# Altium PCB OpenBMS.PcbDoc (part 2 of 2)
Units mm, origin at the board's own origin, x right, y up, seen from the top; angles counter-clockwise.
Board outline 133 x 136.5 mm, 2 copper layers (Top Layer, Bottom Layer), stack 1.571 mm thick; 155 components, 104 nets, 805 pads, 63 vias.
Unrouted connection lines stored in the file: 35.
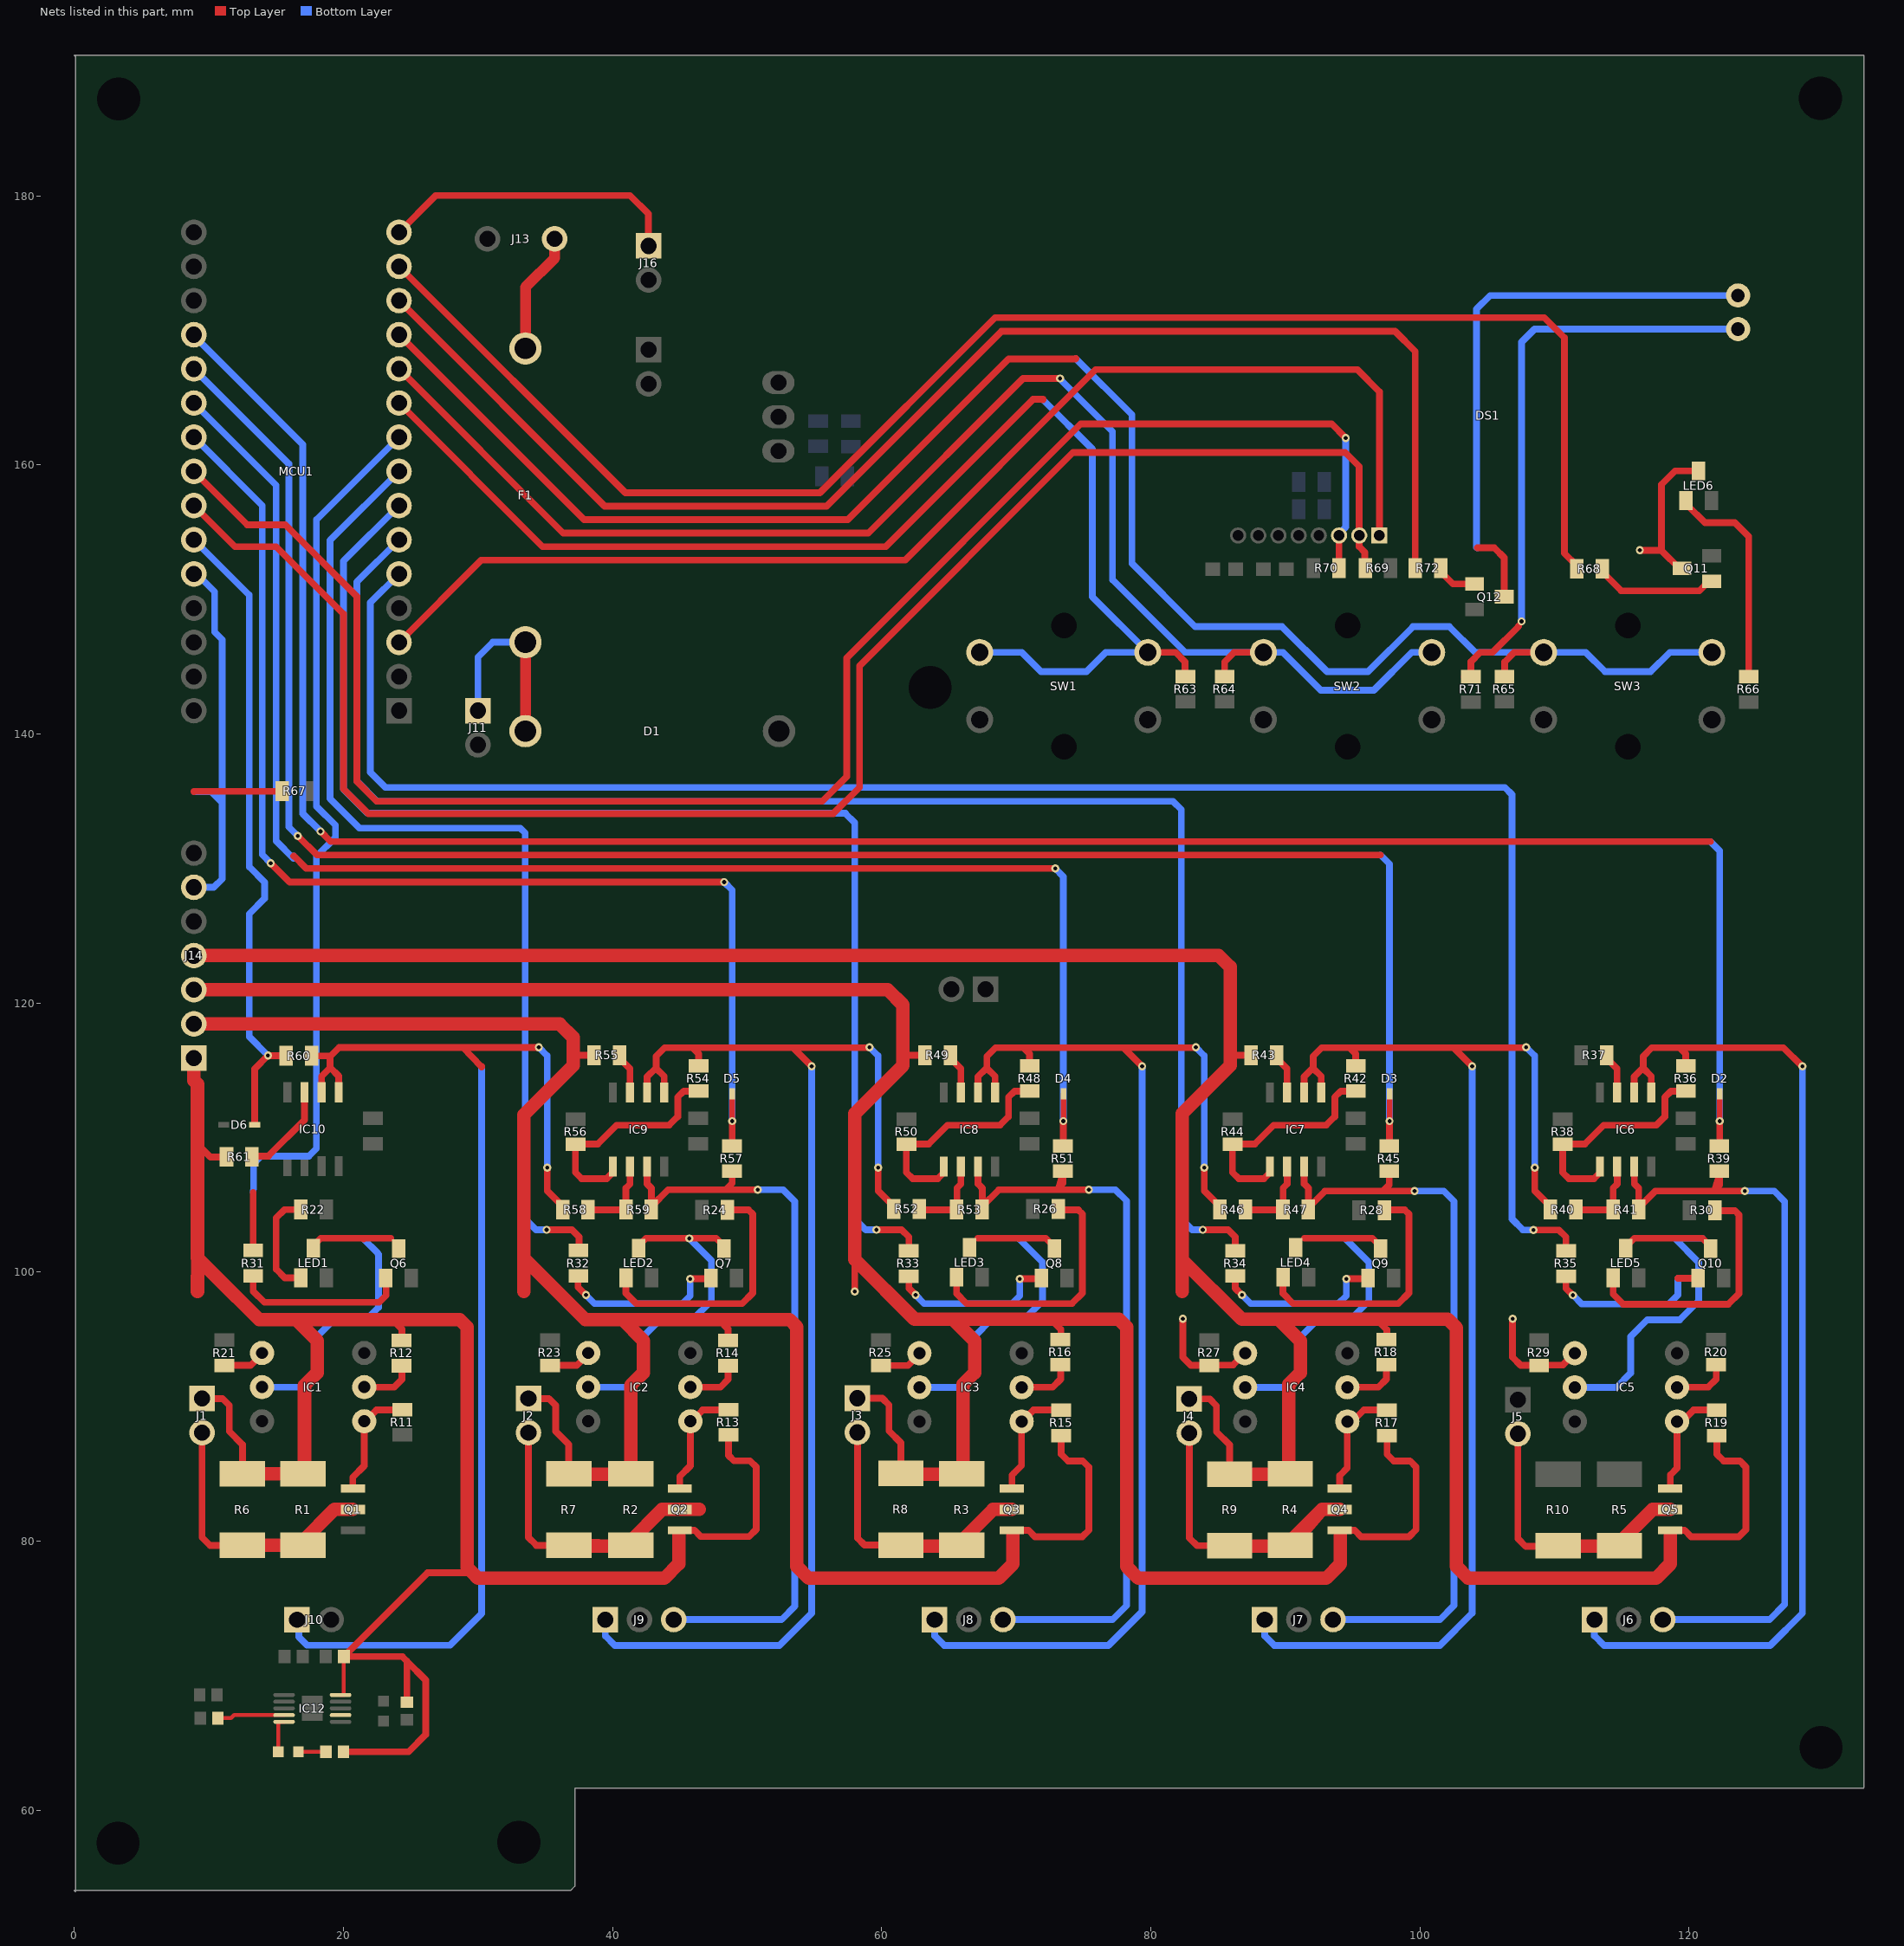
[diagram p2: the nets of this part, all layers, seen from the top]

## Via types
v1: diameter 0.6, hole 0.3, Top Layer to Bottom Layer, 63 vias

## Nets (pads, with @x,y where several pads share a name; then routed paths per layer and width w, separated by ;. In a path a pad name is that pad's centre, name@x,y a point inside that pad or via, vN(x,y) a via of type N, cw(c..) or ccw(c..) an arc to the next point about the centre after c; other vN are vias at no path point) (continued)
NetC13_2: C13.2 IC12.10 J1.1@9.5,90.6 J2.1@33.75,90.6 J14.1@8.89,115.904 J14.2@8.89,118.444 Q2.3@44.997,80.812 Q3.3@69.678,80.812 R1.1@17,85.01 R2.1@41.35,85.01 R6.1@12.5,85.01 R7.1@36.75,85.01 R12.1@24.324,94.93 R13.1@48.614,87.9 R14.1@48.583,94.93 R15.1@73.344,87.85 R55.2@38.632,116.125 R61.2@11.315,108.571 R73.1 R74.1 | length 319.3
  Top Layer w0.3: IC12.10@19.791,68.575 20.026,68.575 C13.2@20.026,71.425
  Top Layer w0.5: 9.16,98.577 9.16,101.025 ; 9.16,109.508 10.122,108.546 11.464,108.546 R61.2@11.568,108.65 ; J1.1@9.5,90.6 11.014,90.6 11.522,90.092 11.522,88.165 12.5,87.187 R6.1@12.5,85.01 ; R74.1@20.001,64.35 24.85,64.35 26.125,65.625 26.125,69.674 24.716,71.084 ; 23.64,96.475 24.349,95.766 24.349,95.187 R12.1@24.436,95.1 ; R73.1@24.716,68.025 24.716,71.084 ; 29.6,77.65 26.251,77.65 20.276,71.675 20.226,71.675 20.126,71.575 20.026,71.475 C13.2@20.026,71.425 20.226,71.425 20.276,71.425 24.374,71.425 24.716,71.084 ; 33.4,98.577 33.4,101.025 ; J2.1@33.75,90.6 35.264,90.6 35.772,90.092 35.772,88.165 36.75,87.187 R7.1@36.75,85.01 ; 37.071,116.125 38.273,116.125 R55.2@38.623,115.775 ; Q2.3@44.997,80.812 45.115,80.816 46.082,80.816 46.558,80.34 50.14,80.34 50.673,80.873 50.673,85.521 50.216,85.978 49.013,85.978 48.614,86.377 R13.1@48.614,87.9 ; 47.889,96.475 48.589,95.775 48.589,95 R14.1@48.583,94.93 ; Q3.3@69.833,80.816 70.904,80.816 71.39,80.33 74.905,80.33 75.4,80.825 75.4,85.502 74.934,85.968 73.845,85.968 73.344,86.469 R15.1@73.344,87.85
  Top Layer w0.8: R2.1@41.31,84.97 R2.1@41.35,85.01
  Top Layer w1: J14.1@8.89,115.904 8.89,114.249 9.16,113.979 9.16,109.508 9.16,101.025 ; J14.2@8.89,118.444 36.077,118.444 37.071,117.45 37.071,116.125 37.071,115.35 33.4,111.679 33.4,101.025 ; 9.16,98.577 9.178,101.025 12.104,98.099 12.11,98.099 13.734,96.475 16.484,96.475 ; R6.1@12.5,85.01 R1.1@17,85.01 17.11,85.01 17.11,91.581 18.054,92.526 18.054,94.905 16.484,96.475 ; 33.4,98.577 33.418,101.025 37.968,96.475 40.724,96.475 ; R7.1@36.75,85.01 36.75,84.97 R2.1@41.31,84.97 ; R2.1@41.35,85.01 41.35,91.581 42.295,92.526 42.295,94.905 40.724,96.475 ; Q2.3@44.924,80.558 44.924,78.324 43.85,77.25 30,77.25 29.6,77.65 29.2,78.05 29.2,95.909 28.634,96.475 23.64,96.475 16.484,96.475 ; 47.889,96.475 40.724,96.475 ; 69.756,80.507 69.756,78.314 68.682,77.24 54.832,77.24 54.575,77.25 53.7,78.125 53.7,95.925 53.15,96.475 40.724,96.475
NetD1_1: D1.1@33.528,140.208 F1.2@33.528,146.816 J11.1@29.993,141.732 | length 14.6
  Top Layer w0.8: D1.1@33.528,140.208 F1.2@33.528,146.816
  Bottom Layer w0.5: J11.1@29.993,141.732 29.993,145.718 31.091,146.816 F1.2@33.528,146.816
NetD2_K: D2.K@122.265,113.25 MCU1.19@8.89,169.672 R39.1@122.24,109.382 | length 169.4
  Top Layer w0.42: v1(122.265,111.226) D2.K@122.265,113.25 D2.K@122.265,113.425
  Top Layer w0.5: v1(18.3,132.761) 19.057,132.004 121.571,132.004 ; R39.1@122.265,109.586 v1(122.265,111.226)
  Bottom Layer w0.5: MCU1.19@8.89,169.672 8.859,169.641 16.982,161.518 16.982,134.079 v1(18.3,132.761) ; 121.571,132.004 121.6,132 121.575,132 122.265,131.31 v1(122.265,111.226)
NetD3_K: D3.K@97.736,113.25 MCU1.20@8.89,167.132 R45.1@97.711,109.382 | length 142.8
  Top Layer w0.42: v1(97.736,111.226) D3.K@97.736,113.25 D3.K@97.736,113.425
  Top Layer w0.5: v1(16.617,132.425) 18.041,131.001 97.062,131.001 ; R45.1@97.736,109.586 v1(97.736,111.226)
  Bottom Layer w0.5: MCU1.20@8.89,167.132 15.942,160.08 15.942,133.1 v1(16.617,132.425) ; 97.062,131.001 97.062,131 97.736,130.326 v1(97.736,111.226)
NetD4_K: D4.K@73.499,113.25 MCU1.21@8.89,164.592 R51.1@73.474,109.382 | length 116.8
  Top Layer w0.42: v1(73.499,111.226) D4.K@73.499,113.25
  Top Layer w0.5: 16.31,130.929 17.242,129.997 v1(72.9,129.997) ; R51.1@73.499,109.586 v1(73.499,111.226)
  Bottom Layer w0.5: MCU1.21@8.89,164.592 15,158.482 15,132.05 16.3,130.75 16.31,130.929 ; v1(72.9,129.997) 73.499,129.398 v1(73.499,111.226)
NetD5_K: D5.K@48.895,113.25 MCU1.22@8.89,162.052 R57.1@48.87,109.382 | length 90.4
  Top Layer w0.42: v1(48.895,111.226) D5.K@48.895,113.25 D5.K@48.895,113.425
  Top Layer w0.5: v1(14.6,130.4) 16.007,128.993 v1(48.3,128.993) ; v1(48.895,111.226) 48.895,109.586 48.984,109.496 R57.1@49.099,109.382
  Bottom Layer w0.5: MCU1.22@8.89,162.052 8.898,162.052 13.97,156.98 13.97,131.03 v1(14.6,130.4) ; v1(48.3,128.993) 48.895,128.398 v1(48.895,111.226)
NetD6_K: D6.K@13.404,110.95 MCU1.25@8.89,154.432 R60.1@15.75,116.075 | length 48.3
  Top Layer w0.5: D6.K@13.404,111.12 13.404,115.104 v1(14.4,116.1) 14.412,116.087 15.738,116.087 R60.1@15.75,116.075
  Bottom Layer w0.5: MCU1.25@8.89,154.432 13,150.322 13,130.125 14.15,128.975 14.15,127.775 13,126.625 13,117.5 v1(14.4,116.1)
NetDS1_1: DS1.1@96.984,154.75 MCU1.3@24.13,146.812 | length 92.6
  Top Layer w0.5: MCU1.3@24.13,146.812 30.243,152.925 61.75,152.925 75.9,167.075 95.35,167.075 96.984,165.441 DS1.1@96.984,154.75
NetDS1_2: DS1.2@95.484,154.75 MCU1.24@8.89,156.972 R69.2@95.934,152.331 | length 128.3
  Top Layer w0.5: MCU1.24@8.89,156.972 11.937,153.925 15,153.925 20,148.925 20,135.925 21.85,134.075 56.4,134.075 58.35,136.025 58.35,145.05 74.225,160.925 94.425,160.925 95.484,159.866 DS1.2@95.484,154.75 95.484,153.916 95.9,153.5 95.9,152.365 R69.2@95.934,152.331
NetDS1_3: DS1.3@93.984,154.75 MCU1.23@8.89,159.512 R70.2@93.984,152.331 | length 130.9
  Top Layer w0.5: MCU1.23@8.89,159.512 12.852,155.55 15.675,155.55 21,150.225 21,136.475 22.475,135 55.575,135 57.4,136.825 57.4,145.65 74.8,163.05 93.434,163.05 v1(94.484,162) ; R70.2@93.984,152.331 DS1.3@93.984,154.75
  Bottom Layer w0.5: DS1.3@93.984,154.75 93.984,154.875 94.484,155.375 v1(94.484,162)
NetDS1_A: DS1.A@123.634,170.09 R71.2@103.787,144.264 | length 43
  Top Layer w0.5: R71.2@103.787,144.264 103.787,145.375 104.475,146.063 105.387,146.063 107.33,148.006
  Bottom Layer w0.5: v1(107.55,148.361) 107.55,169.125 108.515,170.09 DS1.A@123.634,170.09
NetDS1_K: DS1.K@123.634,172.59 Q12.1@106.258,150.2 | length 42.8
  Top Layer w0.5: 104.261,153.829 105.525,153.829 106.258,153.096 Q12.1@106.258,150.2
  Bottom Layer w0.5: 104.261,153.829 104.201,153.873 104.201,171.576 105.215,172.59 DS1.K@123.634,172.59
NetF1_1: F1.1@33.528,168.656 J13.1@35.7,176.8 | length 9
  Top Layer w0.8: F1.1@33.528,168.656 33.528,173.203 35.7,175.375 J13.1@35.7,176.8
NetIC1_1: IC1.1@13.95,93.99 R21.1@11.156,93.055 | length 3.3
  Top Layer w0.5: R21.1@11.156,93.055 11.116,93.066 13.101,93.066 13.987,93.953 IC1.1@13.95,93.99
NetIC1_2: IC1.2@13.95,91.45 LED1.3@17.775,101.777 Q6.1@24.1,101.752 | length 26
  Top Layer w0.5: LED1.3@17.775,101.977 18.323,102.525 23.527,102.525 21.536,102.5 21.5,102.464
  Bottom Layer w0.5: IC1.2@14.21,91.45 16.995,91.45 18.054,92.51 18.054,95.228 19.296,96.469 21.709,96.469 22.606,97.366 22.606,101.312 22.525,101.393 22.525,101.439 21.5,102.464
NetIC1_4: IC1.4@21.55,88.91 Q1.1@20.7,83.912 R11.2@24.374,89.789 | length 8.4
  Top Layer w0.5: Q1.1@20.7,84.025 20.7,84.757 21.547,85.604 21.547,88.874 21.57,88.869 22.451,89.75 R11.2@24.335,89.75
NetIC1_5: IC1.5@21.55,91.45 R12.2@24.324,93.041 | length 4.2
  Top Layer w0.5: IC1.5@21.55,91.45 23.774,91.45 24.348,92.025 24.348,93.111 R12.2@24.324,93.041
NetIC2_1: IC2.1@38.19,93.99 R23.2@35.356,93.066 | length 3.3
  Top Layer w0.5: R23.2@35.356,93.066 37.341,93.066 38.228,93.953 IC2.1@38.19,93.99
NetIC2_2: IC2.2@38.19,91.45 LED2.3@41.943,101.777 Q7.1@48.268,101.752 | length 25.3
  Top Layer w0.5: LED2.3@41.943,101.977 42.491,102.525 v1@45.704,102.525 ; v1(45.704,102.5) v1@45.704,102.525 ; Q7.1@48.268,101.952 47.695,102.525 v1@45.704,102.525
  Bottom Layer w0.5: IC2.2@38.45,91.45 41.235,91.45 42.295,92.51 42.295,95.228 43.536,96.469 45.949,96.469 47.34,97.86 47.346,97.86 47.346,100.865 47.34,100.865 v1(45.704,102.5)
NetIC2_4: IC2.4@45.79,88.91 Q2.1@44.997,83.912 R13.2@48.614,89.789 | length 8.3
  Top Layer w0.5: Q2.1@44.997,84.166 44.997,84.813 45.787,85.604 45.787,88.874 45.81,88.869 46.691,89.75 R13.2@48.575,89.75 ; R13.2@48.614,89.789 48.711,89.75 R13.2@48.75,89.789
NetIC2_5: IC2.5@45.79,91.45 R14.2@48.583,93.041 | length 4.2
  Top Layer w0.5: IC2.5@45.79,91.45 48.014,91.45 48.589,92.025 48.589,93.111 R14.2@48.583,93.041
NetIC3_1: IC3.1@62.797,93.98 R25.2@59.938,93.066 | length 3.3
  Top Layer w0.5: R25.2@59.938,93.066 59.963,93.076 59.963,93.056 61.947,93.056 62.834,93.943 IC3.1@62.797,93.98
NetIC3_2: IC3.2@62.797,91.44 LED3.3@66.516,101.827 Q8.1@72.828,101.752 | length 27.4
  Top Layer w0.5: 70.192,102.488 70.204,102.5 67.152,102.525 72.195,102.525 Q8.1@72.768,101.952
  Bottom Layer w0.5: IC3.2@63.056,91.44 65.841,91.44 66.901,92.5 66.901,95.218 68.142,96.459 70.555,96.459 71.948,97.852 71.952,97.852 71.952,100.74 71.94,100.74 70.192,102.488
NetIC3_4: IC3.4@70.397,88.9 Q3.1@69.678,83.912 R15.2@73.344,89.739 | length 8.8
  Top Layer w0.5: Q3.1@69.678,83.912 69.681,83.912 69.681,84.913 69.821,85.053 70.394,85.626 70.394,88.864 70.397,88.868 IC3.4@70.413,88.884 ; IC3.4@70.397,88.9 IC3.4@70.413,88.884 ; R15.2@73.344,89.739 73.442,89.75 71.279,89.75 IC3.4@70.413,88.884
NetIC3_5: IC3.5@70.397,91.44 R16.2@73.275,93.111 | length 3.7
  Top Layer w0.5: IC3.5@70.781,91.45 72.705,91.45 73.3,92.045 R16.2@73.3,92.955
NetIC4_1: IC4.1@87,93.98 R27.2@84.345,93.066 | length 8.1
  Top Layer w0.5: v1(82.376,96.535) 82.376,93.679 82.978,93.076 84.345,93.076 R27.2@84.345,93.066 ; R27.2@84.308,93.093 86.082,93.093 86.1,93.111 86.131,93.111 IC4.1@87,93.98
NetIC4_2: IC4.2@87,91.44 LED4.3@90.772,101.827 Q9.1@97.084,101.752 | length 27.4
  Top Layer w0.5: 94.448,102.488 94.46,102.5 91.408,102.525 96.451,102.525 Q9.1@97.024,101.952
  Bottom Layer w0.5: IC4.2@87.312,91.44 90.097,91.44 91.157,92.5 91.157,95.218 92.398,96.459 94.811,96.459 96.201,97.849 96.208,97.849 96.208,100.731 96.206,100.731 94.448,102.488
NetIC4_4: IC4.4@94.6,88.9 Q4.1@94.031,83.912 R17.2@97.547,89.739 | length 8.3
  Top Layer w0.5: Q4.1@94.031,83.912 94.036,83.912 94.036,84.882 94.597,85.443 94.597,88.864 IC4.4@94.6,88.9 ; IC4.4@94.984,88.91 95.824,89.75 97.645,89.75 R17.2@97.547,89.739
NetIC4_5: IC4.5@94.6,91.44 R18.2@97.497,93.111 | length 3.7
  Top Layer w0.5: IC4.5@94.984,91.45 96.908,91.45 97.503,92.045 R18.2@97.503,92.955
NetIC5_1: IC5.1@111.503,93.98 R29.2@108.848,93.066 | length 8.1
  Top Layer w0.5: v1(106.879,96.535) 106.879,93.679 107.482,93.076 108.848,93.076 R29.2@108.848,93.066 ; R29.2@108.811,93.093 110.585,93.093 110.603,93.111 110.634,93.111 IC5.1@111.503,93.98
NetIC5_2: IC5.2@111.503,91.44 LED5.3@115.3,101.777 Q10.1@121.6,101.752 | length 27.5
  Top Layer w0.5: LED5.3@115.437,102.027 115.936,102.525 120.979,102.525 121.552,101.952 121.612,101.948 121.681,101.944 121.681,101.802 Q10.1@121.6,101.752
  Bottom Layer w0.5: IC5.2@111.816,91.44 114.6,91.44 115.66,92.5 115.66,95.218 116.901,96.459 119.314,96.459 120.703,97.847 120.711,97.847 120.711,100.728 118.952,102.488 118.988,102.5 120.979,102.525
NetIC5_4: IC5.4@119.103,88.9 Q5.1@118.6,83.912 R19.2@122.05,89.739 | length 8.4
  Top Layer w0.5: Q5.1@118.387,83.912 118.6,84.124 118.6,84.925 119.1,85.425 119.1,88.864 119.103,88.867 IC5.4@119.103,88.9 ; IC5.4@119.488,88.91 120.328,89.75 122.148,89.75 R19.2@122.05,89.739
NetIC5_5: IC5.5@119.103,91.44 R20.2@122,93.111 | length 3.7
  Top Layer w0.5: IC5.5@119.488,91.45 121.412,91.45 122.007,92.045 R20.2@122.007,92.955
NetIC6_1: IC6.1 IC6.2 J6.1@112.96,74.175 R36.2@119.766,115.339 | length 78.8
  Top Layer w0.5: IC6.2@115.917,113.35 115.917,114.52 ; IC6.1@117.187,113.35 117.187,114.55 116.587,115.15 116.547,115.15 115.917,114.52 ; R36.2@119.766,115.339 119.747,115.339 119.747,116.225 119.293,116.679 ; v1(128.423,115.291) 128.408,115.276 127.005,116.679 119.293,116.679 ; 115.917,114.52 115.917,114.529 116.563,115.175 116.587,115.151 116.587,116.04 117.226,116.679 119.293,116.679
  Bottom Layer w0.5: J6.1@112.96,74.175 112.96,72.965 113.675,72.25 126.025,72.25 128.423,74.648 v1(128.423,115.291)
NetIC6_3: IC6.3 R37.1@113.872,116.125 | length 2.9
  Top Layer w0.5: R37.1@113.868,115.895 114.647,115.116 IC6.3@114.647,113.35
NetIC6_5: IC6.5 R36.1@119.766,113.45 R38.1@110.612,109.489 | length 17
  Top Layer w0.5: R38.1@110.612,109.489 110.598,109.525 110.598,109.489 110.598,107.409 111.058,106.95 112.938,106.95 IC6.5@113.388,107.4 ; R38.1@110.688,109.725 R38.1@110.973,109.725 ; R38.1@110.867,109.525 112.265,109.525 113.653,110.913 117.555,110.913 118.197,111.555 118.197,113 118.647,113.45 119.747,113.45 R36.1@119.766,113.45
NetIC6_6: IC6.6 R40.1@111.58,104.65 R41.2@114.361,104.65 | length 5.9
  Top Layer w0.5: R40.1@111.58,104.65 111.53,104.624 R41.2@114.002,104.624 ; R41.2@114.361,104.65 114.358,104.65 114.358,106.251 114.658,106.55 114.658,107.85 IC6.6@114.647,107.85
NetIC6_7: IC6.7 J6.3@118.04,74.175 R39.2@122.24,107.493 R41.1@116.25,104.65 | length 57
  Top Layer w0.5: IC6.7@115.917,107.85 115.928,107.85 115.928,106.557 116.247,106.237 116.247,104.895 116.265,104.795 117.49,106.021 121.783,106.021 121.927,106.164 ; v1(124.129,106.021) 121.883,106.021 121.927,106.164 ; 121.927,106.164 122.264,107.278 122.264,106.501 121.927,106.164
  Bottom Layer w0.5: J6.3@118.04,74.175 125.973,74.175 127.105,75.307 127.105,105.257 127.083,105.257 126.32,106.021 v1(124.129,106.021)
NetIC7_1: IC7.1 IC7.2 J7.1@88.46,74.175 R40.2@109.691,104.65 R42.2@95.237,115.339 | length 95.6
  Top Layer w0.5: IC7.2@91.388,113.35 91.388,114.52 92.018,115.15 92.058,115.15 ; IC7.1@92.658,113.35 92.658,114.55 92.058,115.15 ; R42.2@95.237,115.339 95.218,115.339 95.218,116.225 94.764,116.679 ; 102.533,116.633 103.857,115.309 v1(103.873,115.291) ; v1(107.888,116.712) 107.888,116.679 94.764,116.679 ; v1(108.523,107.772) 108.523,106.044 R40.2@109.615,104.952 ; 92.058,115.15 92.058,116.04 92.697,116.679 94.764,116.679
  Bottom Layer w0.5: J7.1@88.46,74.175 88.46,72.965 89.175,72.25 101.475,72.25 103.873,74.648 v1(103.873,115.291) ; v1(107.888,116.712) 108.523,116.077 v1(108.523,107.772)
NetIC7_3: IC7.3 R43.1@89.343,116.125 | length 2.9
  Top Layer w0.5: R43.1@89.339,115.895 90.118,115.116 IC7.3@90.118,113.35
NetIC7_5: IC7.5 R42.1@95.237,113.45 R44.1@86.083,109.489 | length 17.3
  Top Layer w0.5: IC7.5@88.859,107.4 88.409,106.95 86.529,106.95 86.069,107.409 86.069,109.489 86.069,109.525 86.143,109.7 86.387,109.7 86.338,109.525 87.736,109.525 89.123,110.913 93.026,110.913 93.668,111.555 93.668,113 94.118,113.45 95.218,113.45 R42.1@95.237,113.45
NetIC7_6: IC7.6 R46.1@87.033,104.65 R47.2@89.814,104.65 | length 5.9
  Top Layer w0.5: R46.1@87.033,104.65 86.983,104.624 R47.2@89.455,104.624 ; R47.2@89.814,104.65 89.829,104.65 89.829,106.251 90.129,106.55 90.129,107.85 IC7.6@90.118,107.85
NetIC7_7: IC7.7 J7.3@93.54,74.175 R45.2@97.711,107.493 R47.1@91.703,104.65 | length 55.8
  Top Layer w0.5: IC7.7@91.388,107.85 91.399,107.85 91.399,106.557 91.718,106.237 91.718,104.895 91.718,104.795 92.943,106.021 97.236,106.021 ; R45.2@97.717,107.278 97.717,106.501 97.236,106.021 ; v1(99.6,106.021) 97.236,106.021
  Bottom Layer w0.5: J7.3@93.54,74.175 101.473,74.175 102.523,75.225 102.523,105.257 102.536,105.257 101.773,106.021 v1(99.6,106.021)
NetIC8_1: IC8.1 IC8.2 J8.1@63.937,74.175 R46.2@85.144,104.65 R48.2@71,115.339 | length 95.3
  Top Layer w0.5: IC8.2@67.151,113.35 67.151,114.52 67.781,115.15 67.821,115.15 ; IC8.1@68.421,113.35 68.421,114.55 67.821,115.15 ; R48.2@71,115.339 70.981,115.339 70.981,116.225 70.527,116.679 ; v1(79.355,115.291) 77.967,116.679 ; v1(83.341,116.712) 83.307,116.679 77.967,116.679 ; v1(83.976,107.772) 83.976,106.044 R46.2@85.068,104.952 ; 67.821,115.15 67.821,116.04 68.46,116.679 70.527,116.679 ; 70.527,116.679 77.967,116.679
  Bottom Layer w0.5: J8.1@63.937,74.175 63.937,72.965 64.652,72.25 76.847,72.25 79.355,74.759 v1(79.355,115.291) ; v1(83.341,116.712) 83.976,116.077 v1(83.976,107.772)
NetIC8_3: IC8.3 R49.1@65.106,116.125 | length 2.9
  Top Layer w0.5: R49.1@65.102,115.895 65.881,115.116 IC8.3@65.881,113.35
NetIC8_5: IC8.5 R48.1@71,113.45 R50.1@61.846,109.489 | length 17.3
  Top Layer w0.5: IC8.5@64.621,107.4 64.171,106.95 62.291,106.95 61.832,107.409 61.832,109.489 61.832,109.525 61.906,109.7 62.15,109.7 62.101,109.525 63.499,109.525 64.886,110.913 68.789,110.913 69.431,111.555 69.431,113 69.881,113.45 R48.1@71,113.45
NetIC8_6: IC8.6 R52.1@62.796,104.7 R53.2@65.577,104.65 | length 5.9
  Top Layer w0.5: R52.1@62.796,104.7 62.746,104.624 R53.2@65.218,104.624 ; R53.2@65.577,104.65 65.592,104.65 65.592,106.251 65.891,106.55 65.891,107.85 IC8.6@65.881,107.85
NetIC8_7: IC8.7 J8.3@69.017,74.175 R51.2@73.474,107.493 R53.1@67.466,104.65 | length 57
  Top Layer w0.5: IC8.7@67.151,107.85 67.161,107.85 67.161,106.557 67.481,106.237 R53.1@67.481,104.895 ; R53.1@67.471,104.885 R53.1@67.481,104.895 ; R53.1@67.481,104.885 R53.1@67.481,104.895 ; v1(75.4,106.121) 73.099,106.121 73.143,106.264 ; R53.1@67.481,104.895 68.706,106.121 72.999,106.121 73.143,106.264 ; 73.143,106.264 73.48,107.378 73.48,106.601 73.143,106.264
  Bottom Layer w0.5: J8.3@69.017,74.175 77.15,74.175 78.2,75.225 78.2,105.281 77.36,106.121 v1(75.4,106.121)
NetIC9_1: IC9.1 IC9.2 J9.1@39.46,74.175 R52.2@60.907,104.7 R54.2@46.396,115.339 | length 95.7
  Top Layer w0.5: IC9.2@42.566,113.35 42.566,114.52 43.216,115.17 43.236,115.15 ; IC9.1@43.836,113.35 43.836,114.55 43.236,115.15 ; R54.2@46.396,115.339 46.396,116.225 45.942,116.679 ; v1(54.8,115.291) 53.412,116.679 ; v1(59.104,116.712) 59.07,116.679 53.412,116.679 ; v1(59.739,107.772) 59.739,106.044 R52.2@60.831,104.952 ; 43.236,115.15 43.236,116.04 43.875,116.679 45.942,116.679 ; 45.942,116.679 53.412,116.679
  Bottom Layer w0.5: J9.1@39.46,74.175 39.46,72.965 40.175,72.25 52.4,72.25 54.8,74.65 v1(54.8,115.291) ; v1(59.104,116.712) 59.739,116.077 v1(59.739,107.772)
NetIC9_3: IC9.3 R55.1@40.521,116.125 | length 2.9
  Top Layer w0.5: R55.1@40.516,115.896 41.296,115.116 IC9.3@41.296,113.35
NetIC9_5: IC9.5 R54.1@46.396,113.45 R56.1@37.261,109.489 | length 17.4
  Top Layer w0.5: R56.1@37.261,109.489 R56.1@37.236,109.525 ; IC9.5@40.026,107.85 40.026,107.4 39.576,106.95 37.696,106.95 37.236,107.409 37.236,109.489 R56.1@37.236,109.525 ; R54.1@46.396,113.45 45.296,113.45 44.846,113 44.846,111.555 44.204,110.913 40.301,110.913 38.914,109.525 R56.1@37.236,109.525
NetIC9_6: IC9.6 R58.1@38.186,104.647 R59.2@40.996,104.65 | length 5.8
  Top Layer w0.5: R58.1@38.186,104.647 38.161,104.624 R59.2@40.633,104.624 ; R59.2@40.996,104.65 40.996,106.251 41.296,106.55 IC9.6@41.296,107.85
NetIC9_7: IC9.7 J9.3@44.54,74.175 R57.2@48.87,107.493 R59.1@42.885,104.65 | length 56.1
  Top Layer w0.5: IC9.7@42.566,107.85 42.566,106.557 42.885,106.237 R59.1@42.885,104.885 ; R59.1@42.885,104.65 R59.1@42.885,104.885 ; R57.2@49.111,107.594 48.895,107.378 48.895,106.601 48.414,106.121 ; v1(50.796,106.121) 48.414,106.121 ; R59.1@42.885,104.885 44.121,106.121 48.414,106.121
  Bottom Layer w0.5: J9.3@44.54,74.175 52.55,74.175 53.55,75.175 53.55,105.257 53.538,105.257 52.675,106.121 v1(50.796,106.121)
NetIC10_1: IC10.1 IC10.2 J10.1@16.559,74.175 R58.2@36.297,104.647 R60.2@17.639,116.075 | length 93.8
  Top Layer w0.5: R60.2@17.639,116.3 17.751,116.188 17.864,116.075 18.94,116.075 19,116.015 ; IC10.2@18.38,113.375 18.38,114.545 19.03,115.195 ; IC10.1@19.65,113.375 19.65,114.575 19.03,115.195 ; 30.275,115.24 30.275,115.291 30.249,115.267 28.879,116.7 29.004,116.7 ; v1(34.519,116.712) 34.506,116.7 29.004,116.7 ; v1(35.154,107.772) 35.154,106.044 R58.2@36.246,104.952 ; 19,116.015 19.689,116.704 29,116.704 29.004,116.7 ; 19,116.015 19,115.225 19.03,115.195
  Bottom Layer w0.5: J10.1@16.559,74.175 16.685,74.175 16.685,72.89 17.304,72.271 27.921,72.271 30.275,74.625 30.275,115.24 ; v1(34.519,116.712) 35.154,116.077 v1(35.154,107.772)
NetIC10_3: IC10.3 R61.1@13.204,108.571 | length 6.8
  Top Layer w0.5: R61.1@13.462,108.625 14.43,108.625 17.11,111.305 IC10.3@17.11,113.375
NetJ1_2: J1.2@9.5,88.06 Q1.2@20.7,82.362 R1.2@17,79.69 R6.2@12.5,79.69 | length 20.3
  Top Layer w0.5: J1.2@9.5,88.06 9.5,80.276 10.086,79.69 R6.2@12.46,79.69
  Top Layer w1: R6.2@12.5,79.69 R1.2@17,79.69 R1.2@17.1,79.69 ; R1.2@16.95,79.984 19.338,82.372 20.7,82.372 Q1.2@20.7,82.362
NetJ2_2: J2.2@33.75,88.06 Q2.2@44.997,82.362 R2.2@41.35,79.69 R7.2@36.75,79.69 | length 26.4
  Top Layer w0.5: J2.2@33.75,88.06 33.75,80.276 34.336,79.69 R7.2@36.71,79.69
  Top Layer w1: R7.2@36.71,79.69 R7.2@36.75,79.69 ; R2.2@41.3,79.74 R2.2@41.35,79.69 ; R2.2@41.3,79.984 43.688,82.372 46.45,82.372 ; R7.2@36.75,79.69 41.31,79.65 36.75,79.65 R7.2@36.75,79.69
NetJ3_1: J3.1@58.2,90.627 J14.3@8.89,120.984 Q4.3@94.031,80.812 R3.1@65.941,85.01 R8.1@61.425,85.035 R16.1@73.275,95 R17.1@97.547,87.85 R49.2@63.217,116.125 | length 178.2
  Top Layer w0.5: v1(58.006,98.567) 58.006,100.937 ; J3.1@58.2,90.627 58.2,90.625 60.039,90.625 60.547,90.117 60.547,88.19 61.425,87.312 R8.1@61.425,85.035 ; 61.571,116.125 R49.2@63.217,116.125 ; 72.556,96.5 73.319,95.738 73.319,95.098 73.346,95.071 R16.1@73.417,95 ; Q4.3@94.031,80.812 94.036,80.816 95.142,80.816 95.628,80.33 99.175,80.33 99.708,80.863 99.708,85.511 99.251,85.968 98.048,85.968 97.547,86.469 R17.1@97.547,87.85
  Top Layer w1: J14.3@8.89,120.984 60.452,120.984 61.571,119.865 61.571,116.125 61.571,115.35 58.003,111.782 58.003,100.941 58.006,100.937 62.443,96.5 72.556,96.5 77.625,96.5 78.2,95.925 78.2,78.125 79.075,77.25 93.025,77.25 94.092,78.317 Q4.3@94.092,80.558 ; R8.1@61.425,85.035 61.381,84.97 65.941,84.97 R3.1@65.941,85.01 ; 65.331,96.465 66.901,94.895 66.901,92.516 66.055,91.669 R3.1@66.055,85.098
NetJ3_2: J3.2@58.2,88.087 Q3.2@69.678,82.362 R3.2@65.941,79.69 R8.2@61.425,79.715 | length 20.8
  Top Layer w0.5: J3.2@58.2,88.087 58.2,82.425 58.2,80.239 58.724,79.715 R8.2@61.425,79.715
  Top Layer w1: R8.2@61.425,79.715 61.381,79.65 65.569,79.65 68.281,82.362 Q3.2@69.678,82.362
NetJ4_1: J4.1@82.856,90.575 J14.4@8.89,123.524 Q5.3@118.6,80.812 R4.1@90.356,85.01 R9.1@85.856,84.985 R18.1@97.497,95 R19.1@122.05,87.85 R43.2@87.454,116.125 | length 207.8
  Top Layer w0.5: 82.325,98.567 82.325,100.937 ; J4.1@82.856,90.575 84.37,90.575 84.878,90.067 84.878,88.14 85.856,87.162 R9.1@85.856,84.985 ; 85.808,116.125 85.889,116.125 R43.2@87.454,116.125 ; 96.766,96.5 97.531,95.735 97.531,95.331 R18.1@97.2,95 ; 96.775,96.5 96.875,96.5 ; Q5.3@118.6,80.812 Q5.3@118.549,80.816 ; Q5.3@118.605,80.558 118.552,80.801 Q5.3@118.549,80.816 ; R19.1@122.05,87.85 122.059,87.788 122.059,86.469 122.56,85.968 123.764,85.968 124.221,85.511 124.221,80.863 123.687,80.33 120.141,80.33 119.654,80.816 118.6,80.816 Q5.3@118.549,80.816
  Top Layer w1: J14.4@8.89,123.524 83.2,123.548 85.027,123.548 85.889,122.686 85.889,116.125 85.889,115.35 82.321,111.782 82.321,100.941 82.325,98.567 ; 82.325,100.937 86.762,96.5 96.766,96.5 96.775,96.5 ; R9.1@85.856,84.985 85.837,84.97 90.356,84.97 90.397,84.97 R4.1@90.356,85.01 ; 89.534,96.465 91.104,94.895 91.104,92.516 90.258,91.669 R4.1@90.258,85.098 ; 96.875,96.5 102.065,96.5 102.7,95.865 102.7,78.137 103.587,77.25 117.537,77.25 118.605,78.317 Q5.3@118.605,80.558
NetJ4_2: J4.2@82.856,88.035 Q4.2@94.031,82.362 R4.2@90.356,79.69 R9.2@85.856,79.665 | length 24.3
  Top Layer w0.5: J4.2@82.856,88.035 82.856,80.251 83.442,79.665 R9.2@85.816,79.665
  Top Layer w1: R9.2@85.856,79.665 85.837,79.65 85.856,79.65 90.356,79.65 90.397,79.65 90.399,79.653 92.718,82.362 ; R4.2@90.006,79.65 90.201,79.845 92.718,82.362 ; Q4.2@94.031,82.362 92.718,82.362
NetJ5_2: J5.2@107.275,87.985 Q5.2@118.6,82.362 R5.2@114.825,79.665 R10.2@110.275,79.665 | length 20.9
  Top Layer w0.5: J5.2@107.275,87.985 107.275,80.201 107.861,79.615 110.235,79.615 R10.2@110.275,79.665
  Top Layer w1: R10.2@110.275,79.665 110.306,79.65 114.825,79.625 114.866,79.625 R5.2@114.825,79.665 ; R5.2@114.575,79.65 117.286,82.362 Q5.2@118.6,82.362
NetJ16_1: J16.1@42.672,176.274 MCU1.15@24.13,177.292 | length 22.6
  Top Layer w0.5: MCU1.15@24.13,177.292 26.863,180.025 41.3,180.025 42.672,178.653 J16.1@42.672,176.274
NetLED1_1: LED1.1@16.825,99.577 R22.2@16.836,104.65 | length 8
  Top Layer w0.5: LED1.1@16.825,99.577 15.648,99.577 15,100.225 15,104.025 15.625,104.65 R22.2@16.836,104.65
NetLED2_1: LED2.1@40.993,99.577 R24.2@48.539,104.625 | length 19.2
  Top Layer w0.5: LED2.1@40.993,99.577 40.993,98.435 41.762,97.666 49.635,97.666 50.419,98.45 50.419,104.314 50.114,104.619 R24.2@48.396,104.619
NetLED3_1: LED3.1@65.566,99.627 R26.2@73.12,104.7 | length 19.2
  Top Layer w0.5: LED3.1@65.566,99.627 65.566,98.414 66.313,97.666 74.135,97.666 74.919,98.45 74.919,104.314 74.614,104.619 R26.2@72.896,104.619
NetLED4_1: LED4.1@89.822,99.627 R28.2@97.357,104.6 | length 19.2
  Top Layer w0.5: LED4.1@89.822,99.627 89.822,98.414 90.569,97.667 98.391,97.667 99.175,98.451 99.175,104.314 98.87,104.619 R28.2@97.152,104.619
NetLED5_1: LED5.1@114.35,99.577 R30.2@121.904,104.6 | length 19.2
  Top Layer w0.5: LED5.1@114.35,99.577 114.35,98.364 115.097,97.617 122.919,97.617 123.703,98.401 123.703,104.264 123.398,104.569 R30.2@121.68,104.569
NetLED6_1: LED6.1@119.75,157.352 R66.2@124.425,144.264 | length 15.9
  Top Layer w0.5: LED6.1@119.862,157.015 121.177,155.7 123.4,155.7 124.425,154.675 R66.2@124.425,144.264
NetLED6_3: LED6.3@120.7,159.552 Q11.1@119.473,152.306 | length 11.9
  Top Layer w0.5: v1(116.338,153.662) 116.338,153.647 117.938,153.647 117.938,158.531 118.959,159.552 LED6.3@120.7,159.552 ; 117.938,153.641 119.373,152.206 Q11.1@119.473,152.106
NetMCU1_5: MCU1.5@24.13,151.892 R35.2@110.852,101.589 | length 138.1
  Top Layer w0.5: v1(108.437,103.138) 110.317,103.138 110.85,102.604 R35.2@110.85,101.725
  Bottom Layer w0.5: MCU1.5@24.13,151.892 22,149.762 22,137.15 23.125,136.025 106.3,136.025 106.837,135.488 106.837,103.951 107.65,103.138 v1(108.437,103.138)
NetMCU1_6: MCU1.6@24.13,154.432 R34.1@86.274,101.6 | length 117.2
  Top Layer w0.5: v1(83.859,103.149) 85.739,103.149 86.272,102.615 R34.1@86.272,101.736
  Bottom Layer w0.5: MCU1.6@24.13,154.432 21,151.302 21,136.5 22.5,135 81.641,135 82.259,134.382 82.259,103.962 83.072,103.149 v1(83.859,103.149)
NetMCU1_7: MCU1.7@24.13,156.972 R33.2@62.006,101.589 | length 96.7
  Top Layer w0.5: v1(59.603,103.149) 61.482,103.149 62.016,102.615 R33.2@62.016,101.736
  Bottom Layer w0.5: MCU1.7@24.13,156.972 20,152.842 20,135.912 21.812,134.1 57.301,134.1 58.003,133.399 58.003,103.962 58.815,103.149 v1(59.603,103.149)
NetMCU1_8: MCU1.8@24.13,159.512 R32.1@37.465,101.61 | length 76.3
  Top Layer w0.5: v1(35.103,103.149) 36.982,103.149 37.516,102.615 37.516,101.736 37.44,101.66 R32.1@37.465,101.61
  Bottom Layer w0.5: MCU1.8@24.13,159.512 19,154.382 19,135.2 21.2,133 33.141,133 33.503,132.638 33.503,103.962 34.315,103.149 v1(35.103,103.149)
NetMCU1_9: MCU1.9@24.13,162.052 R31.1@13.297,101.61 | length 68.2
  Top Layer w0.5: R31.1@13.297,101.61 13.297,105.925
  Bottom Layer w0.5: 13.297,105.925 13.322,106.325 13.322,108.047 13.9,108.625 17.45,108.625 18,109.175 18,130.9 19.404,132.304 19.404,133.218 18,134.622 18,155.922 MCU1.9@24.13,162.052
NetMCU1_10: MCU1.10@24.13,164.592 R63.1@82.575,144.275 SW1.1@67.279,146.063 SW1.2@79.779,146.063 | length 96.5
  Top Layer w0.5: MCU1.10@24.13,164.592 34.797,153.925 60.3,153.925 71.25,164.875 72,164.875 71.975,164.85 ; SW1.2@79.779,146.063 81.837,146.063 82.541,145.359 R63.1@82.541,144.516
  Bottom Layer w0.5: SW1.1@67.279,146.063 70.404,146.063 71.836,144.631 75.222,144.631 76.654,146.063 SW1.2@79.779,146.063 75.65,150.192 75.65,161.175 71.975,164.85
NetMCU1_11: MCU1.11@24.13,167.132 R64.1@85.481,144.275 SW2.1@88.373,146.063 SW2.2@100.873,146.063 | length 107.9
  Top Layer w0.5: MCU1.11@24.13,167.132 36.337,154.925 59,154.925 70.5,166.425 v1(73.25,166.425) ; R64.1@85.481,144.425 85.481,145.362 86.182,146.063 SW2.1@88.373,146.063
  Bottom Layer w0.5: v1(73.25,166.425) 73.225,166.4 77.15,162.475 77.15,151.461 82.548,146.063 SW2.1@88.373,146.063 89.812,146.063 92.625,143.25 96.575,143.25 99.388,146.063 SW2.2@100.873,146.063
NetMCU1_12: MCU1.12@24.13,169.672 R65.1@106.275,144.275 SW3.1@109.189,146.063 SW3.2@121.689,146.063 | length 131.8
  Top Layer w0.5: MCU1.12@24.13,169.672 37.877,155.925 57.489,155.925 69.439,167.875 74.392,167.875 74.421,167.904 ; R65.1@106.297,144.425 106.297,145.362 106.998,146.063 SW3.1@109.189,146.063
  Bottom Layer w0.5: 74.421,167.904 78.6,163.725 78.6,152.675 83.3,147.975 89.75,147.975 93.094,144.631 96.131,144.631 99.475,147.975 102.188,147.975 104.1,146.063 SW3.1@109.189,146.063 112.314,146.063 113.738,144.639 117.14,144.639 118.564,146.063 SW3.2@121.689,146.063
NetMCU1_13: MCU1.13@24.13,172.212 R72.1@99.65,152.332 | length 104
  Top Layer w0.5: MCU1.13@24.13,172.212 39.417,156.925 55.9,156.925 68.9,169.925 98.15,169.925 99.65,168.425 R72.1@99.65,152.332
NetQ6_2: Q6.2@23.15,99.552 R31.2@13.297,99.721 | length 12.6
  Top Layer w0.5: R31.2@13.297,99.721 13.297,98.578 14.125,97.75 22.651,97.75 23.178,98.277 23.178,99.224 Q6.2@23.1,99.302
NetQ7_2: Q7.2@47.318,99.552 R32.2@37.465,99.721 | length 12.7
  Top Layer w0.5: R32.2@37.465,99.721 37.44,99.66 37.44,98.882 v1(38.024,98.297) ; v1(45.768,99.502) 47.268,99.502 Q7.2@47.318,99.552
  Bottom Layer w0.5: v1(38.024,98.297) 38.659,97.662 45.181,97.662 45.768,98.25 v1(45.768,99.502)
NetQ8_2: Q8.2@71.878,99.552 R33.1@62.006,99.7 | length 12.8
  Top Layer w0.5: R33.1@62.006,99.7 61.94,99.66 62.016,99.583 62.016,98.805 v1(62.524,98.297) ; v1(70.268,99.502) 71.768,99.502 Q8.2@71.878,99.552
  Bottom Layer w0.5: v1(62.524,98.297) 63.159,97.662 69.681,97.662 70.268,98.25 v1(70.268,99.502)
NetQ9_2: Q9.2@96.134,99.552 R34.2@86.274,99.711 | length 12.6
  Top Layer w0.5: R34.2@86.272,99.583 86.272,98.805 v1(86.78,98.297) ; v1(94.525,99.502) 96.025,99.502 Q9.2@96.134,99.552
  Bottom Layer w0.5: v1(86.78,98.297) 87.415,97.662 93.937,97.662 94.525,98.25 v1(94.525,99.502)
NetQ10_2: Q10.2@120.65,99.552 R35.1@110.852,99.7 | length 12.6
  Top Layer w0.5: R35.1@110.85,99.572 110.85,98.794 v1(111.358,98.286) ; 119.162,99.549 120.65,99.549 Q10.2@120.65,99.552
  Bottom Layer w0.5: v1(111.358,98.286) 111.418,98.232 112.025,97.625 118.49,97.625 119.162,98.297 119.162,99.549
NetQ11_2: Q11.2@121.673,151.356 R68.2@113.539,152.281 | length 9.1
  Top Layer w0.5: R68.2@113.539,152.281 113.539,152.046 114.954,150.631 120.748,150.631 Q11.2@121.473,151.356
NetQ12_2: Q12.2@104.058,151.15 R72.2@101.539,152.332 | length 3.7
  Top Layer w0.5: R72.2@101.539,152.332 101.539,152.046 101.789,151.796 101.608,151.992 102.45,151.15 Q12.2@104.058,151.15
NTCin: J14.6@8.89,128.604 MCU1.26@8.89,151.892 R67.2@15.456,135.75 | length 34.9
  Top Layer w0.5: 8.915,135.7 8.89,135.725 8.903,135.737 15.444,135.737 R67.2@15.456,135.75
  Bottom Layer w0.5: J14.6@8.89,128.604 10.372,128.604 11,129.232 11,134.875 ; 8.915,135.7 10.175,135.7 11,134.875 ; MCU1.26@9.108,151.892 10.425,150.575 10.425,147.575 11,147 11,134.875
PG: D8.2 IC12.5 | length 2.7
  Top Layer w0.3: D8.2@15.158,64.35 15.158,66.575 IC12.5@15.591,66.575
PG_LED: D8.1 R74.2 | length 2
  Top Layer w0.3: D8.1@16.658,64.35 R74.2@18.701,64.35
TERM: IC12.4 R76.2 | length 5
  Top Layer w0.3: R76.2@10.664,66.85 11.65,66.85 11.875,67.075 IC12.4@15.591,67.075
VCC: IC12.7
WarnLED: MCU1.14@24.13,174.752 R68.1@111.65,152.281 | length 116.9
  Top Layer w0.5: MCU1.14@24.13,174.752 40.957,157.925 55.41,157.925 68.435,170.95 109.241,170.95 110.725,169.466 110.725,153.441 R68.1@111.65,152.516
pads on no net: C1.1@119.741,111.425 C1.2@119.741,109.536 C2.1@95.212,111.425 C2.2@95.212,109.536 C3.1@70.975,111.425 C3.2@70.975,109.536 C4.1@46.371,111.425 C4.2@46.371,109.536 C5.1@22.185,111.425 C5.2@22.185,109.536 C6.1@55.275,161.375 C6.2@55.275,163.264 C7.1@55.55,159.15 C7.2@57.439,159.15 C8.1@88.368,152.25 C8.2@90.068,152.25 C9.1@92.873,156.7 C9.2@90.984,156.7 C10.1@92.873,158.725 C10.2@90.984,158.725 C11.1@84.6,152.25 C11.2@86.3,152.25 D1.1@33.528,140.208 D1.2@52.368,140.208 D2.A@122.265,115.55 D2.K@122.265,113.25 D3.A@97.736,115.55 D3.K@97.736,113.25 D4.A@73.499,115.55 D4.K@73.499,113.25 D5.A@48.895,115.55 D5.K@48.895,113.25 D6.A@11.105,110.95 D6.K@13.404,110.95 DS1.1@96.984,154.75 DS1.2@95.484,154.75 DS1.3@93.984,154.75 DS1.4@92.484,154.75 DS1.5@90.984,154.75 DS1.6@89.484,154.75 DS1.7@87.984,154.75 DS1.8@86.484,154.75 DS1.A@123.634,170.09 DS1.K@123.634,172.59 F1.1@33.528,168.656 F1.2@33.528,146.816 H1.1 H2.1 H3.1 H4.1 H5.1 H6.1 IC1.1@13.95,93.99 IC1.2@13.95,91.45 IC1.3 IC1.4@21.55,88.91 IC1.5@21.55,91.45 IC1.6 IC2.1@38.19,93.99 IC2.2@38.19,91.45 IC2.3 IC2.4@45.79,88.91 IC2.5@45.79,91.45 IC2.6 IC3.1@62.797,93.98 IC3.2@62.797,91.44 IC3.3 IC3.4@70.397,88.9 IC3.5@70.397,91.44 IC3.6 IC4.1@87,93.98 IC4.2@87,91.44 IC4.3 IC4.4@94.6,88.9 IC4.5@94.6,91.44 IC4.6 IC5.1@111.503,93.98 IC5.2@111.503,91.44 IC5.3 IC5.4@119.103,88.9 IC5.5@119.103,91.44 IC5.6 IC10.5 IC10.6 IC10.7 IC11.1@52.324,161.036 IC11.2@52.324,163.576 IC11.3@52.324,166.116 IC12.6 IC12.9 J1.1@9.5,90.6 J1.2@9.5,88.06 J2.1@33.75,90.6 J2.2@33.75,88.06 J3.1@58.2,90.627 J3.2@58.2,88.087 J4.1@82.856,90.575 J4.2@82.856,88.035 J5.1@107.275,90.525 J5.2@107.275,87.985 J6.1@112.96,74.175 J6.2@115.5,74.175 J6.3@118.04,74.175 J7.1@88.46,74.175 J7.2@91,74.175 J7.3@93.54,74.175 J8.1@63.937,74.175 J8.2@66.477,74.175 J8.3@69.017,74.175 J9.1@39.46,74.175 J9.2@42,74.175 J9.3@44.54,74.175 J10.1@16.559,74.175 J10.2@19.099,74.175 J11.1@29.993,141.732 J11.2@29.993,139.192 J12.1@67.716,121.025 J12.2@65.176,121.025 J13.1@35.7,176.8 J13.2@30.7,176.8 J14.1@8.89,115.904 J14.2@8.89,118.444 J14.3@8.89,120.984 J14.4@8.89,123.524 J14.5@8.89,126.064 J14.6@8.89,128.604 J14.7@8.89,131.144 J15.1@42.672,168.559 J15.2@42.672,166.019 J16.1@42.672,176.274 J16.2@42.672,173.734 LED1.1@16.825,99.577 LED1.2 LED1.3@17.775,101.777 LED2.1@40.993,99.577 LED2.2 LED2.3@41.943,101.777 LED3.1@65.566,99.627 LED3.2 LED3.3@66.516,101.827 LED4.1@89.822,99.627 LED4.2 LED4.3@90.772,101.827 LED5.1@114.35,99.577 LED5.2 LED5.3@115.3,101.777 LED6.1@119.75,157.352 LED6.2 LED6.3@120.7,159.552 MCU1.1 MCU1.2 MCU1.3@24.13,146.812 MCU1.4@24.13,149.352 MCU1.5@24.13,151.892 MCU1.6@24.13,154.432 MCU1.7@24.13,156.972 MCU1.8@24.13,159.512 MCU1.9@24.13,162.052 MCU1.10@24.13,164.592 MCU1.11@24.13,167.132 MCU1.12@24.13,169.672 MCU1.13@24.13,172.212 MCU1.14@24.13,174.752 MCU1.15@24.13,177.292 MCU1.16 MCU1.17@8.89,174.752 MCU1.18 MCU1.19@8.89,169.672 MCU1.20@8.89,167.132 MCU1.21@8.89,164.592 MCU1.22@8.89,162.052 MCU1.23@8.89,159.512 MCU1.24@8.89,156.972 MCU1.25@8.89,154.432 MCU1.26@8.89,151.892 MCU1.27@8.89,149.352 MCU1.28 MCU1.29@8.89,144.272 MCU1.30 Q1.1@20.7,83.912 Q1.2@20.7,82.362 Q1.3@20.7,80.812 Q2.1@44.997,83.912 Q2.2@44.997,82.362 Q2.3@44.997,80.812 Q3.1@69.678,83.912 Q3.2@69.678,82.362 Q3.3@69.678,80.812 Q4.1@94.031,83.912 Q4.2@94.031,82.362 Q4.3@94.031,80.812 Q5.1@118.6,83.912 Q5.2@118.6,82.362 Q5.3@118.6,80.812 Q6.1@24.1,101.752 Q6.2@23.15,99.552 Q6.3@25.05,99.552 Q7.1@48.268,101.752 Q7.2@47.318,99.552 Q7.3@49.218,99.552 Q8.1@72.828,101.752 Q8.2@71.878,99.552 Q8.3@73.778,99.552 Q9.1@97.084,101.752 Q9.2@96.134,99.552 Q9.3@98.034,99.552 Q10.1@121.6,101.752 Q10.2@120.65,99.552 Q10.3@122.55,99.552 Q11.1@119.473,152.306 Q11.2@121.673,151.356 Q11.3@121.673,153.256 Q12.1@106.258,150.2 Q12.2@104.058,151.15 Q12.3@104.058,149.25 R1.1@17,85.01 R1.2@17,79.69 R2.1@41.35,85.01 R2.2@41.35,79.69 R3.1@65.941,85.01 R3.2@65.941,79.69 R4.1@90.356,85.01 R4.2@90.356,79.69 R5.1@114.825,84.985 R5.2@114.825,79.665 R6.1@12.5,85.01 R6.2@12.5,79.69 R7.1@36.75,85.01 R7.2@36.75,79.69 R8.1@61.425,85.035 R8.2@61.425,79.715 R9.1@85.856,84.985 R9.2@85.856,79.665 R10.1@110.275,84.985 R10.2@110.275,79.665 R11.1@24.374,87.9 R11.2@24.374,89.789 R12.1@24.324,94.93 R12.2@24.324,93.041 R13.1@48.614,87.9 R13.2@48.614,89.789 R14.1@48.583,94.93 R14.2@48.583,93.041 R15.1@73.344,87.85 R15.2@73.344,89.739 R16.1@73.275,95 R16.2@73.275,93.111 R17.1@97.547,87.85 R17.2@97.547,89.739 R18.1@97.497,95 R18.2@97.497,93.111 R19.1@122.05,87.85 R19.2@122.05,89.739 R20.1@122,95 R20.2@122,93.111 R21.1@11.156,93.055 R21.2@11.156,94.944 R22.1@18.725,104.65 R22.2@16.836,104.65 R23.1@35.356,94.955 R23.2@35.356,93.066 R24.1@46.65,104.625 R24.2@48.539,104.625 R25.1@59.938,94.955 R25.2@59.938,93.066 R26.1@71.231,104.7 R26.2@73.12,104.7 R27.1@84.345,94.955 R27.2@84.345,93.066 R28.1@95.468,104.6 R28.2@97.357,104.6 R29.1@108.848,94.955 R29.2@108.848,93.066 R30.1@120.015,104.6 R30.2@121.904,104.6 R31.1@13.297,101.61 R31.2@13.297,99.721 R32.1@37.465,101.61 R32.2@37.465,99.721 R33.1@62.006,99.7 R33.2@62.006,101.589 R34.1@86.274,101.6 R34.2@86.274,99.711 R35.1@110.852,99.7 R35.2@110.852,101.589 R36.1@119.766,113.45 R36.2@119.766,115.339 R37.1@113.872,116.125 R37.2@111.983,116.125 R38.1@110.612,109.489 R38.2@110.612,111.378 R39.1@122.24,109.382 R39.2@122.24,107.493 R40.1@111.58,104.65 R40.2@109.691,104.65 R41.1@116.25,104.65 R41.2@114.361,104.65 R42.1@95.237,113.45 R42.2@95.237,115.339 R43.1@89.343,116.125 R43.2@87.454,116.125 R44.1@86.083,109.489 R44.2@86.083,111.378 R45.1@97.711,109.382 R45.2@97.711,107.493 R46.1@87.033,104.65 R46.2@85.144,104.65 R47.1@91.703,104.65 R47.2@89.814,104.65 R48.1@71,113.45 R48.2@71,115.339 R49.1@65.106,116.125 R49.2@63.217,116.125 R50.1@61.846,109.489 R50.2@61.846,111.378 R51.1@73.474,109.382 R51.2@73.474,107.493 R52.1@62.796,104.7 R52.2@60.907,104.7 R53.1@67.466,104.65 R53.2@65.577,104.65 R54.1@46.396,113.45 R54.2@46.396,115.339 R55.1@40.521,116.125 R55.2@38.632,116.125 R56.1@37.261,109.489 R56.2@37.261,111.378 R57.1@48.87,109.382 R57.2@48.87,107.493 R58.1@38.186,104.647 R58.2@36.297,104.647 R59.1@42.885,104.65 R59.2@40.996,104.65 R60.1@15.75,116.075 R60.2@17.639,116.075 R61.1@13.204,108.571 R61.2@11.315,108.571 R62.1@57.705,163.255 R62.2@57.705,161.366 R63.1@82.575,144.275 R63.2@82.575,142.386 R64.1@85.481,144.275 R64.2@85.481,142.386 R65.1@106.275,144.275 R65.2@106.275,142.386 R66.1@124.425,142.375 R66.2@124.425,144.264 R67.1@17.345,135.75 R67.2@15.456,135.75 R68.1@111.65,152.281 R68.2@113.539,152.281 R69.1@97.823,152.331 R69.2@95.934,152.331 R70.1@92.095,152.331 R70.2@93.984,152.331 R71.1@103.787,142.375 R71.2@103.787,144.264 R72.1@99.65,152.332 R72.2@101.539,152.332 SW1.1@67.279,146.063 SW1.2@79.779,146.063 SW1.3@67.279,141.063 SW1.4@79.779,141.063 SW1.5 SW1.6 SW2.1@88.373,146.063 SW2.2@100.873,146.063 SW2.3@88.373,141.063 SW2.4@100.873,141.063 SW2.5 SW2.6 SW3.1@109.189,146.063 SW3.2@121.689,146.063 SW3.3@109.189,141.063 SW3.4@121.689,141.063 SW3.5 SW3.6

## Polygon pours and split planes (outlines as drawn)
GND on Top Layer "Top Layer-GND" (solid, pour order 61): 7.25,110.925 7.25,113.106 11.659,113.106 11.659,118.13 11.663,118.134 14.461,118.13 28.1,118.13 28.1,62.9 7.293,62.9 7.25,92.591
GND on Top Layer "Top Layer-GND" (solid, pour order 64): 125.991,118.125 104.9,118.125 104.9,75.405 125.911,75.405 125.991,75.325
GND on Top Layer "Top Layer-GND" (solid, pour order 63): 77.3,118.125 55.9,118.125 55.9,75.405 77.3,75.405
GND on Top Layer "Top Layer-GND" (solid, pour order 62): 52.5,118.125 52.495,118.13 31.4,118.13 31.4,118.005 31.4,75.405 31.502,75.405 52.5,75.405
GND on Top Layer "Top Layer-GND" (solid, pour order 60): 101.5,118.125 80.4,118.125 80.4,75.405 101.5,75.405
no net on Bottom Layer "NONET_L02_P068" (solid, pour order 68): 7.293,72.425 7.293,61.35 7.443,61.2 29.8,61.2 29.8,72.721 29.736,72.785 29.376,72.425
GND on Bottom Layer "Bottom Layer-GND" (solid, pour order 65): 125.986,160.125 125.986,179.125 125.986,181.409 5.336,181.409 5.336,85.584 7.236,83.684 7.236,71.859 8.486,70.609 8.77,70.325 10.025,69.075 123.203,69.075 124.737,70.609 125.986,71.858 125.986,118.009 125.978,118.129 104.886,118.129 104.886,75.409 101.486,75.409 101.486,118.129 80.386,118.129 80.386,118.002 80.395,75.409 80.365,75.409 77.286,75.409 77.286,118.129 70.434,118.125 69.647,118.846 69.647,122.431 69.168,122.91 63.652,122.91 63.181,122.431 63.181,118.846 62.331,118.125 55.886,118.129 55.886,75.409 52.486,75.409 52.486,118.129 31.386,118.134 31.386,118.009 31.386,75.409 28.086,75.409 28.086,118.134 14.461,118.134 11.869,118.13 10.736,119.258 10.736,136.909 11.236,137.409 22.514,137.409 23.314,136.609 125.986,136.609

## Silkscreen, mask and mechanical layers (free items; w line width, h text height)
Top Overlay:
  drawing of 189 lines, arcs and shapes, not listed
  text "OpenBMSProject / Kayoum Djedidi" at 83.658,182.875 h3
  text "Input" at 28.825,182.4 h3
  text "+" at 35.25,181.95 h2
  text "+" at 44.4,175.325 h2
  text "Out" at 45.875,171.8 h1.2 r90
  text "+5V" at 44.15,168.05 h1.6
  text "Mode" at 118.525,154.15 h1.2
  text "+" at 29.343,143.325 h2
  text "Input" at 28.5,137.675 h3 r90
  text "+5V" at 58.85,136.233 h1.8
  text "STOP" at 90.984,133.75 h3
  text "DEBALANCE" at 108.375,133.75 h3
  text "BALANCE" at 67.111,133.625 h3
  text "R" at 4.75,128.025 h2.5
  text "C5" at 3.85,125.325 h2.5
  text "C4" at 3.85,122.925 h2.5
  text "C3" at 3.85,120.325 h2.5
  text "C2" at 3.85,117.825 h2.5
  text "C1" at 3.85,115.125 h2.5
  text "Cell1" at 15.325,96.475 h3
  text "Cell4" at 88.147,96.424 h3
  text "Cell2" at 39.46,96.4 h3
  text "Cell3" at 64.041,96.35 h3
  text "Cell5" at 112.75,96.35 h3
  text "Shunt1" at 7.25,85.975 h3 r90
  text "Shunt3" at 55.95,85.752 h3 r90
  text "Shunt2" at 31.5,85.725 h3 r90
  text "Shunt4" at 80.606,85.702 h3 r90
  text "Shunt5" at 105.025,85.652 h3 r90
  text "V01" at 12.136,73.6 h2
  text "V02" at 34.653,73.316 h2
  text "V2" at 47.793,73.002 h2 r90
  text "V3" at 69.642,70.575 h2 r90
  text "V4" at 94.165,70.575 h2 r90
  text "V5" at 118.665,70.575 h2 r90
  text "V03" at 64.652,69.675 h2 r90
  text "V04" at 89.175,69.675 h2 r90
  text "V05" at 113.675,69.675 h2 r90
  text "charging Indicator" at 8.893,63.8 h1.5
Board outline:
  lines w0.15: 0,54.075 133,54.075 133,190.5 0,190.5 0,54.075
Mechanical 15:
  lines w0.3: 7.8,75.925 27.5,75.925 27.5,117.525 12.268,117.525 12.268,112.572 7.8,112.572 7.8,75.925 ; 32,75.925 51.868,75.925 51.868,117.525 32,117.525 32,75.925 ; 56.5,75.915 76.7,75.915 76.7,117.525 56.5,117.525 56.5,75.915 ; 81,75.915 100.868,75.915 100.868,117.525 81,117.525 81,75.915 ; 105.5,75.915 125.368,75.915 125.368,117.525 105.5,117.525 105.5,75.915